# Allegro board LAY-29615_B4.brd (continued)
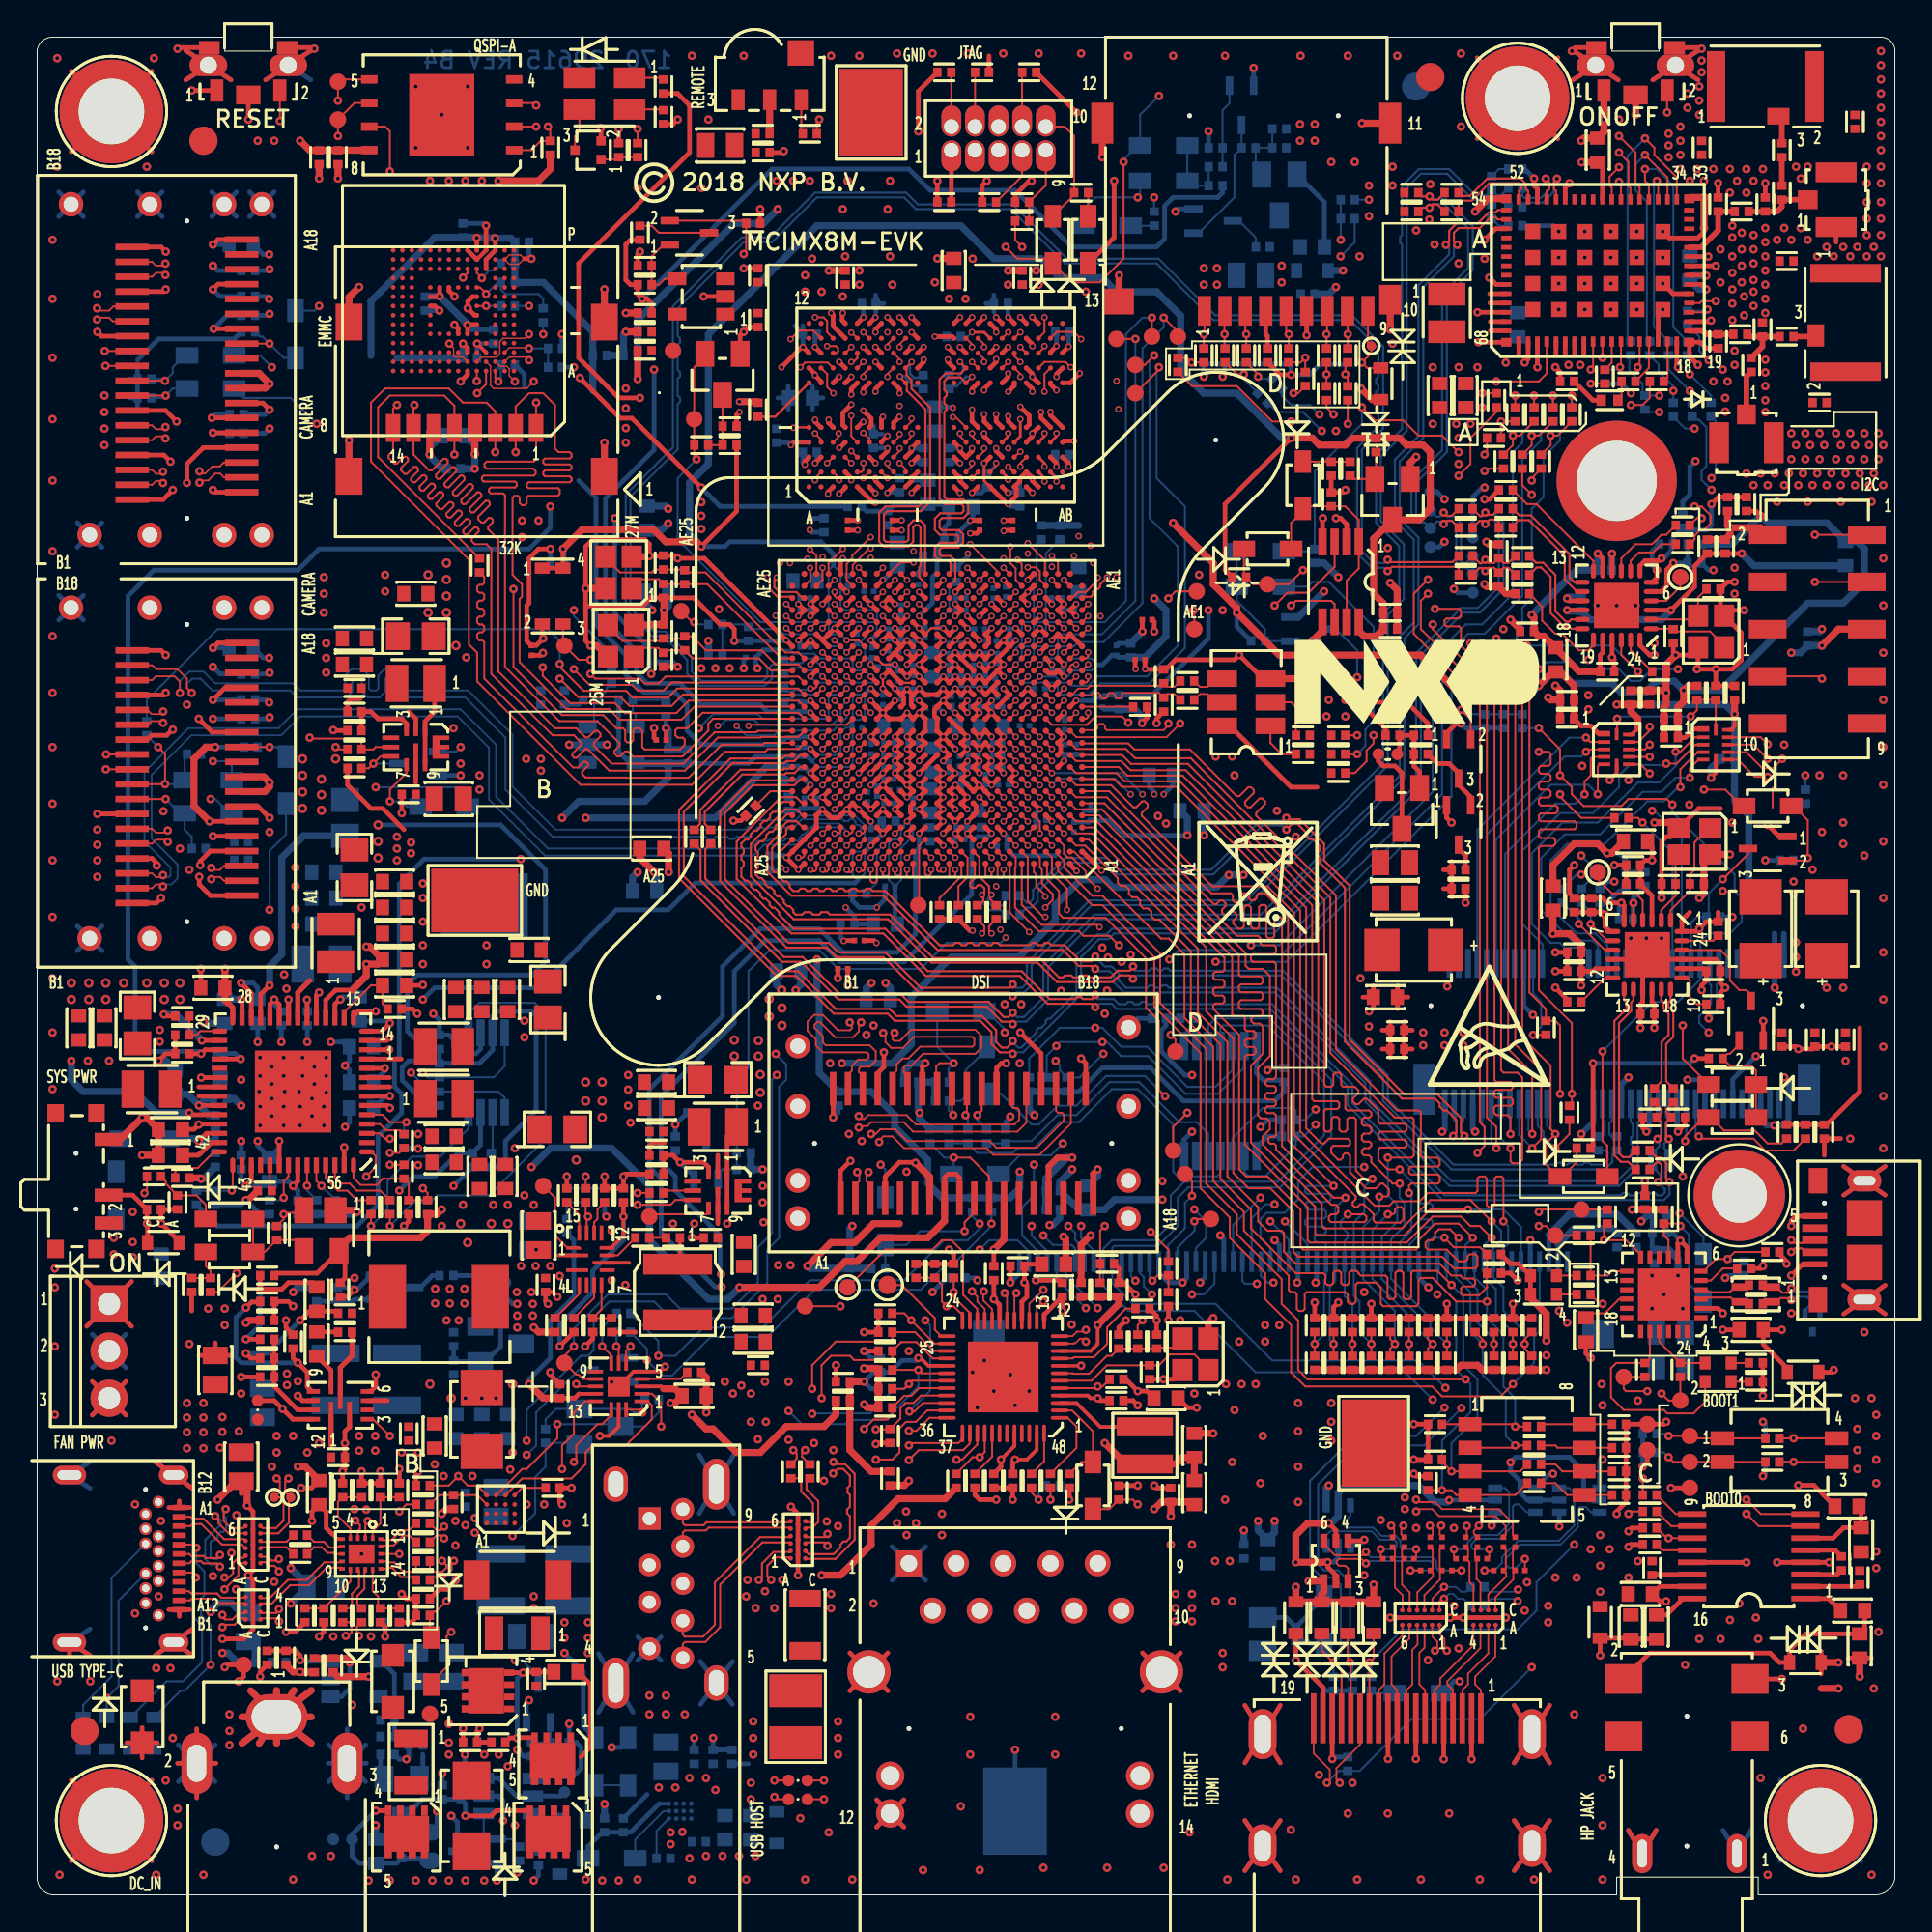
[diagram p0: board, top side]
## Routing (per net, layer and track width the routed paths; a pad name or vN(x,y) marks a point on that pad's centre or on a via; arc(x,y) is an arc through that point) (continued)
DRAM_NCS1_A: length 14.6
  TOP w0.102: v2(46.42,77.87) 46.42,77.72 U201.H3 ; U101.AC18 45.52,70.13 v2(45.53,70.13)
  L8_INT_3 w0.076: v2(46.42,77.87) 46.42,78.17 46.54,78.29 47.35,78.29 47.43,78.21 47.43,75.25 47.31,75.12 47.31,72.83 47.18,72.71 46.94,72.71 46.85,72.62 46.85,71.39 47.05,71.18 47.05,71.06 47.18,70.93 47.31,70.93 47.43,71.06 47.43,71.35 47.52,71.44 47.7,71.44 47.79,71.35 47.79,70.55 47.7,70.46 45.82,70.46 45.53,70.16 v2(45.53,70.13)
DRAM_NCS1_B: length 13.7
  TOP w0.102: U101.AD8 51.38,70.78 v2(51.37,70.78) ; U201.R3 50.97,77.72 v2(50.97,77.87)
  L8_INT_3 w0.076: v2(50.97,77.87) 50.97,78.15 51.29,78.47 51.29,78.88 50.55,79.63 50.42,79.63 50.31,79.51 50.31,79.39 50.65,79.05 50.65,78.31 50.56,78.22 50.18,78.22 50,78.04 50,77.7 50.2,77.51 50.56,77.51 50.65,77.42 50.65,76.91 51.37,76.18 v2(51.37,70.78)
DRAM_NRESET: length 18.7
  TOP w0.107: U101.AB13 v2(48.77,69.48)
  TOP w0.152: v2(50.32,84.12) 50.97,84.12 U201.T11
  L6_INT_2 w0.076: v2(50.32,84.12) 49.19,84.12 48.2,83.12 48.2,70.06 v2(48.77,69.48)
  BOTTOM w0.102: R208.2 50.09,83.88 v2(50.32,84.12)
DRAM_SDQS0_C_A: length 22.3
  TOP w0.102: U201.E3 v2(43.82,77.72)
  TOP w0.114: v2(39.31,70.91) 39.43,70.79 39.43,70.29 39.85,69.88 40.58,69.88 U101.AC25
  L6_INT_2 w0.102: v2(43.82,77.72) 43.82,77.63 43.71,77.52 42.96,77.52 42.84,77.63 42.84,78.03 42.59,78.28 41.31,78.28 40.97,78.63 40.04,78.63 38.68,77.26 38.68,76.84 38.55,76.71 38.05,76.71 37.79,76.45 37.79,76.01 38.05,75.75 38.68,75.75 38.78,75.65 38.78,75.49 38.68,75.39 38.04,75.39 37.79,75.14 37.79,74.78 38.04,74.53 38.68,74.53 38.78,74.43 38.78,74.27 38.68,74.17 38.04,74.17 37.79,73.92 37.79,73.56 38.04,73.32 38.68,73.32 38.78,73.21 38.78,73.05 38.68,72.95 38.04,72.95 37.79,72.71 37.79,71.96 38.05,71.7 38.43,71.7 38.67,71.94 38.97,71.94 39.39,71.51 39.39,71 v2(39.31,70.91)
DRAM_SDQS0_C_B: length 22.6
  TOP w0.114: U201.V3 52.89,77.69 v2(52.92,77.69) ; v2(57.59,70.91) 57.21,70.53 57.21,70.4 57.1,70.29 56.97,70.29 56.83,70.15 56.83,69.99 56.72,69.87 56.31,69.87 U101.AC1
  L6_INT_2 w0.102: v2(52.92,77.69) 52.92,77.44 53.04,77.33 53.15,77.33 53.29,77.47 53.29,77.58 53.55,77.84 54.51,77.84 54.62,77.94 54.62,78.06 54.87,78.32 55.27,78.32 55.51,78.08 55.51,77.92 55.6,77.84 56.03,77.84 56.19,78 56.19,78.43 56.44,78.68 56.82,78.68 57.06,78.43 57.06,78.01 57.16,77.91 57.54,77.91 58.1,77.35 58.1,76.34 58.22,76.22 58.71,76.22 58.98,75.96 58.98,75.59 58.74,75.35 58.19,75.35 58.09,75.25 58.09,75.08 58.19,74.98 58.74,74.98 58.98,74.74 58.98,74.38 58.74,74.13 58.19,74.13 58.09,74.03 58.09,73.87 58.19,73.77 58.74,73.77 58.98,73.52 58.98,73.06 58.76,72.84 57.43,72.84 57.32,72.72 57.32,72.56 57.44,72.44 57.83,72.44 58.09,72.18 58.09,71.69 57.83,71.44 57.46,71.44 57.35,71.32 57.35,71.16 v2(57.59,70.91)
DRAM_SDQS0_T_A: length 22.3
  TOP w0.102: U201.D3 v2(43.82,77.07)
  TOP w0.114: U101.AC24 41.19,69.81 40.86,70.13 39.95,70.13 39.69,70.4 39.69,70.79 v2(39.81,70.91)
  L6_INT_2 w0.102: v2(39.81,70.91) 39.64,71.09 39.64,71.61 39.07,72.18 38.57,72.18 38.33,71.94 38.15,71.94 38.04,72.06 38.04,72.61 38.14,72.71 38.78,72.71 39.02,72.95 39.02,73.32 38.78,73.56 38.14,73.56 38.04,73.66 38.04,73.82 38.14,73.92 38.78,73.92 39.02,74.17 39.02,74.53 38.78,74.78 38.14,74.78 38.04,74.88 38.04,75.04 38.14,75.14 38.78,75.14 39.02,75.39 39.02,75.75 38.78,76 38.15,76 38.04,76.11 38.04,76.35 38.15,76.46 38.65,76.46 38.92,76.74 38.92,77.16 40.14,78.38 40.87,78.38 41.21,78.04 42.49,78.04 42.6,77.93 42.6,77.53 42.86,77.28 43.61,77.28 v2(43.82,77.07)
DRAM_SDQS0_T_B: length 22.2
  TOP w0.114: U201.W3 52.92,77.07 v2(52.92,76.89) ; v2(57.09,70.91) 57.09,70.77 56.45,70.13 56.03,70.13 55.71,69.81 U101.AC2
  L6_INT_2 w0.102: v2(57.09,70.91) 57.09,71.04 57.11,71.06 57.11,71.42 57.36,71.68 57.73,71.68 57.85,71.79 57.85,72.08 57.73,72.2 57.34,72.2 57.07,72.46 57.07,72.82 57.33,73.08 58.66,73.08 58.74,73.16 58.74,73.42 58.64,73.52 58.09,73.52 57.85,73.77 57.85,74.13 58.09,74.38 58.64,74.38 58.74,74.48 58.74,74.64 58.64,74.74 58.09,74.74 57.85,74.98 57.85,75.35 58.09,75.59 58.64,75.59 58.74,75.69 58.74,75.86 58.61,75.98 58.12,75.98 57.86,76.24 57.86,77.25 57.44,77.67 57.06,77.67 56.82,77.91 56.82,78.33 56.72,78.43 56.54,78.43 56.44,78.33 56.44,77.9 56.13,77.6 55.5,77.6 55.27,77.82 55.27,77.98 55.17,78.08 54.97,78.08 54.86,77.96 54.86,77.84 54.61,77.6 53.65,77.6 53.53,77.48 53.53,77.37 53.25,77.09 53.04,77.09 52.92,76.97 v2(52.92,76.89)
DRAM_SDQS1_C_A: length 26.2
  TOP w0.114: v2(42.93,70.13) 42.93,69.94 43.05,69.81 U101.AC21 ; v2(43.82,82.52) 43.94,82.52 44.15,82.72 U201.E10
  L4_INT_1 w0.102: v2(43.82,82.52) 43.88,82.57 43.88,82.79 43.64,83.03 43.5,83.03 43.34,82.88 43,82.88 42.87,82.75 42.51,82.75 42.39,82.64 42.39,82.43 42.14,82.18 41.7,82.18 41.44,82.43 41.44,82.61 41.33,82.72 40.94,82.72 40.7,82.49 40.7,81.85 40.45,81.6 39.9,81.6 39.05,80.75 39.05,78.55 38.54,78.04 38.54,75.97 38.66,75.86 39.18,75.86 39.43,75.6 39.43,75.17 39.18,74.92 38.53,74.92 38.4,74.79 38.4,74.59 38.53,74.46 39.18,74.46 39.43,74.2 39.43,73.77 39.18,73.52 38.58,73.52 38.44,73.38 38.44,73.22 38.63,73.03 39.09,73.03 39.81,72.3 40.86,72.3 41.13,72.02 41.13,71.22 41.26,71.09 42.19,71.09 42.43,70.85 42.43,70.51 42.27,70.35 42.27,70.21 42.35,70.13 42.47,70.13 42.65,69.96 42.75,69.96 v2(42.93,70.13)
DRAM_SDQS1_C_B: length 26.7
  TOP w0.114: U101.AC5 v2(53.97,70.13) ; v2(52.92,82.52) 52.6,82.84 U201.V10
  L4_INT_1 w0.102: v2(53.97,70.13) 53.97,69.98 54.05,69.9 54.22,69.9 54.73,70.41 55.46,70.41 55.83,70.78 55.83,71.51 56.6,72.29 57.21,72.29 57.85,72.92 57.85,74.4 57.48,74.76 57.21,74.76 56.96,75.02 56.96,75.45 57.21,75.7 57.73,75.7 57.85,75.82 57.85,76.04 57.73,76.16 57.09,76.16 56.83,76.41 56.83,76.84 57.09,77.1 57.73,77.1 57.85,77.21 57.85,77.44 57.73,77.56 57.09,77.56 56.83,77.81 56.83,78.24 57.09,78.5 57.73,78.5 57.85,78.61 57.85,78.82 57.73,78.93 57.1,78.93 56.84,79.19 56.84,79.65 57.1,79.91 57.51,79.91 57.61,80.01 57.61,80.26 57.51,80.36 57.23,80.36 56.97,80.62 56.97,81.58 55.89,82.67 55.02,82.67 54.87,82.53 54.6,82.53 54.46,82.67 54.13,82.67 53.99,82.53 53.72,82.53 53.58,82.67 53.39,82.67 53.19,82.87 53.04,82.87 52.92,82.75 v2(52.92,82.52)
DRAM_SDQS1_T_A: length 26.3
  TOP w0.114: U201.D10 v2(43.82,83.32) ; v2(42.93,69.48) U101.AB21
  L4_INT_1 w0.102: v2(42.93,69.48) 42.78,69.48 42.37,69.89 42.25,69.89 42.03,70.11 42.03,70.45 42.19,70.61 42.19,70.75 42.09,70.85 41.16,70.85 40.89,71.12 40.89,71.92 40.76,72.06 39.71,72.06 38.99,72.78 38.53,72.78 38.2,73.12 38.2,73.48 38.48,73.76 39.08,73.76 39.19,73.87 39.19,74.1 39.08,74.22 38.43,74.22 38.16,74.48 38.16,74.89 38.43,75.16 39.08,75.16 39.19,75.27 39.19,75.5 39.08,75.61 38.56,75.61 38.3,75.87 38.3,78.14 38.81,78.65 38.81,80.85 39.8,81.84 40.35,81.84 40.46,81.95 40.46,82.59 40.84,82.97 41.43,82.97 41.68,82.71 41.68,82.53 41.8,82.42 42.04,82.42 42.15,82.53 42.15,82.74 42.41,82.99 42.77,82.99 42.9,83.12 43.24,83.12 43.4,83.27 43.78,83.27 v2(43.82,83.32)
DRAM_SDQS1_T_B: length 26.9
  TOP w0.114: U201.W10 v2(52.92,83.32) ; U101.AB5 v2(53.97,69.48)
  L4_INT_1 w0.102: v2(52.92,83.32) 52.92,83.23 53.04,83.11 53.29,83.11 53.49,82.91 55.99,82.91 57.21,81.68 57.21,80.72 57.33,80.61 57.61,80.61 57.85,80.36 57.85,79.91 57.61,79.67 57.2,79.67 57.09,79.55 57.09,79.29 57.2,79.17 57.83,79.17 58.09,78.92 58.09,78.51 57.83,78.25 57.19,78.25 57.07,78.14 57.07,77.91 57.19,77.8 57.83,77.8 58.09,77.54 58.09,77.11 57.83,76.86 57.19,76.86 57.07,76.74 57.07,76.51 57.19,76.4 57.83,76.4 58.09,76.14 58.09,75.72 57.83,75.46 57.31,75.46 57.2,75.35 57.2,75.12 57.31,75 57.58,75 58.09,74.5 58.09,72.82 57.31,72.05 56.7,72.05 56.07,71.41 56.07,70.67 55.56,70.17 54.83,70.17 54.32,69.66 54.15,69.66 v2(53.97,69.48)
DRAM_VREF: length 12
  TOP w0.107: U101.AA14 v2(47.48,68.83)
  BOTTOM w0.254: v2(47.48,68.83) 48.2,69.55 48.2,70.93 48.44,71.18 C216.1 48.44,72.57 C218.2 48.84,73.6 49.07,73.83 R209.2 48.93,74.85 R210.1 46.16,74.85 C219.1 44.64,74.48 R215.1
DRAM_ZQ0: length 1.8
  TOP w0.127: U201.A5 40.72,78.99 v2(40.7,78.97)
  BOTTOM w0.127: v2(40.7,78.97) 39.86,78.97 R203.2
DRAM_ZQ1: length 3.5
  TOP w0.127: R204.2 39.73,79.57 U201.A8
DSI_BL_PWM: length 24.7
  TOP w0.107: U101.T7 v2(52.67,64.93)
  L6_INT_2 w0.076: v2(52.67,64.93) 53,64.61 53,63.41 52.35,62.76 52.35,60.25 52.16,60.06 51.17,60.06 51.05,59.94 51.05,58.3 51.24,58.11 51.51,58.11 51.7,57.92 51.7,54.85 52.06,54.5 52.06,53.83 50.74,52.51 50.35,52.51 49.97,52.13 49.97,48.53 v1(52.08,46.42)
  BOTTOM w0.107: v1(52.08,46.42) 52.08,46.6 51.12,47.56 D1508.C
DSI_CKN: length 27
  TOP w0.097: J1501.A2 44.05,38.2 44.26,38.41 44.26,38.79 v1(44.14,38.91)
  TOP w0.102: U101.C16 46.5,56.59 46.4,56.48 v2(46.18,56.48)
  L8_INT_3 w0.076: v2(46.18,56.48) 46.18,56.62 46.28,56.72 46.37,56.72 46.59,56.5 46.97,56.5 47.11,56.36 47.11,56.25 47.28,56.07 47.37,56.07 47.47,55.97 47.47,55.82 47.36,55.7 47.36,55.51 47.47,55.4 47.47,50.92 48.28,50.11 48.28,49.64 48.18,49.54 47.96,49.54 47.69,49.26 47.69,48.82 47.96,48.55 48.18,48.55 48.28,48.44 48.28,48.24 48.18,48.14 47.96,48.14 47.69,47.87 47.69,47.42 47.96,47.15 48.18,47.15 48.28,47.05 48.28,46.28 46.96,44.96 46.96,44.57 47.33,44.2 47.33,44.06 47.15,43.88 47.02,43.88 46.73,44.17 46.36,44.17 46.04,43.85 46.04,43.46 46.32,43.18 46.32,43.05 46.04,42.77 46.04,41.43 46.39,41.08 46.39,40.58 45.89,40.08 44.87,40.08 44.35,39.55 44.35,39.11 v1(44.14,38.91)
DSI_CKP: length 27
  TOP w0.097: J1501.A3 44.85,38.21 44.64,38.42 44.64,38.79 v1(44.75,38.91)
  TOP w0.102: U101.D16 v2(46.18,57.13)
  L8_INT_3 w0.076: v1(44.75,38.91) 44.64,39.02 44.64,39.43 45,39.79 46.01,39.79 46.68,40.46 46.68,41.2 46.33,41.55 46.33,42.65 46.61,42.93 46.61,43.3 46.33,43.59 46.33,43.73 46.48,43.88 46.61,43.88 46.9,43.59 47.27,43.59 47.62,43.94 47.62,44.32 47.25,44.7 47.25,44.84 48.57,46.16 48.57,47.17 48.3,47.44 48.08,47.44 47.98,47.54 47.98,47.75 48.08,47.85 48.3,47.85 48.57,48.12 48.57,48.56 48.3,48.84 48.08,48.84 47.98,48.94 47.98,49.14 48.08,49.24 48.3,49.24 48.57,49.52 48.57,50.23 47.76,51.04 47.76,56.12 47.31,56.57 47.09,56.79 46.71,56.79 46.49,57.01 46.3,57.01 v2(46.18,57.13)
DSI_DN0: length 25.1
  TOP w0.097: v1(43.74,46.97) 43.86,46.85 43.86,46.65 43.75,46.54 43.12,46.54 42.29,47.37 41.83,47.37 41.47,47.01 41.47,46.51 41.92,46.06 41.92,45.73 42.29,45.35 44.66,45.35 44.76,45.25 44.76,45.06 44.66,44.96 44.18,44.96 43.86,44.63 43.86,44.36 43.65,44.16 J1501.B2
  TOP w0.102: U101.A17 45.85,54.94 45.75,54.84 45.61,54.84 45.51,54.95 45.51,55.17 v2(45.52,55.18)
  L8_INT_3 w0.076: v2(45.52,55.18) 45.56,55.15 45.56,54.48 45.27,54.2 45.27,53.75 45.56,53.46 45.56,52.7 45.26,52.41 45.26,51.84 45.56,51.55 45.56,49.93 45.46,49.82 45.25,49.82 45.15,49.93 45.15,50.58 44.88,50.85 44.5,50.85 43.71,50.06 43.71,49.68 44.13,49.26 44.13,48.58 44.04,48.49 43.39,48.49 43.12,48.22 43.12,47.71 43.39,47.43 43.78,47.43 43.88,47.33 43.88,47.1 v1(43.74,46.97)
DSI_DN1: length 25.4
  TOP w0.097: v1(45.54,46.4) 45.67,46.28 45.67,45.9 45.98,45.59 46.61,45.59 47.2,46.19 50.35,46.19 50.45,46.08 50.45,45.76 50.34,45.66 47.53,45.66 46.9,45.02 46.59,45.02 46.27,44.7 46.27,44.36 46.05,44.14 J1501.B5
  TOP w0.102: v2(46.17,55.18) 46.16,55.17 46.16,54.97 46.26,54.87 46.4,54.87 46.5,54.97 U101.A16
  L8_INT_3 w0.076: v2(46.17,55.18) 46.21,55.15 46.21,48.72 46.12,48.63 45.08,48.63 44.81,48.36 44.81,47.5 45.08,47.23 45.58,47.23 45.91,47.56 46.19,47.56 46.29,47.46 46.29,47.19 46.19,47.09 46.02,47.09 45.74,46.82 45.74,46.6 v1(45.54,46.4)
DSI_DN2: length 28.9
  TOP w0.097: J1501.B13 52.45,42.45 52.54,42.35 52.76,42.35 52.87,42.25 52.87,41.72 52.61,41.46 47.31,41.46 46.8,41.97 44.74,41.97 44.53,41.76 44.38,41.76 v1(44.23,41.92)
  TOP w0.102: v2(44.87,55.18) 44.86,55.17 44.86,54.59 44.96,54.49 45.1,54.49 45.2,54.59 U101.A18
  L8_INT_3 w0.076: v1(44.23,41.92) 44,41.69 43.85,41.69 43.75,41.79 43.75,43.24 44.26,43.75 44.26,45.02 42.61,46.67 42.61,49.59 44.84,51.83 44.84,55.15 v2(44.87,55.18)
DSI_DN3: length 30.3
  TOP w0.097: J1501.B16 54.85,42.2 54.95,42.1 55.16,42.1 55.27,42 55.27,41.68 53.81,40.22 51.63,40.22 51.27,40.58 46.83,40.58 46.19,41.21 45.39,41.21 45.14,40.96 v1(44.89,40.96)
  TOP w0.102: v2(46.82,55.18) 46.81,55.17 46.81,54.87 46.91,54.77 47.05,54.77 47.15,54.87 U101.A15
  L8_INT_3 w0.076: v2(46.82,55.18) 46.86,55.15 46.86,50.39 47.01,50.23 47.01,46.16 45.32,44.47 45.32,41.1 45.18,40.96 v1(44.89,40.96)
DSI_DP0: length 25.1
  TOP w0.097: v1(44.35,46.97) 44.24,46.85 44.24,46.49 43.91,46.16 42.96,46.16 42.13,46.99 41.99,46.99 41.85,46.85 41.85,46.67 42.3,46.22 42.3,45.88 42.45,45.73 44.82,45.73 45.14,45.41 45.14,44.9 44.82,44.58 44.34,44.58 44.24,44.48 44.24,44.28 44.45,44.07 J1501.B3
  TOP w0.102: U101.B17 45.53,55.83 v2(45.52,55.83)
  L8_INT_3 w0.076: v1(44.35,46.97) 44.17,47.15 44.17,47.45 43.9,47.73 43.51,47.73 43.41,47.83 43.41,48.09 43.51,48.2 44.16,48.2 44.42,48.46 44.42,49.38 44,49.8 44,49.94 44.62,50.56 44.75,50.56 44.86,50.46 44.86,49.8 45.13,49.53 45.58,49.53 45.85,49.8 45.85,51.67 45.55,51.97 45.55,52.29 45.85,52.58 45.85,53.58 45.57,53.87 45.57,54.08 45.85,54.36 45.85,55.33 45.52,55.66 v2(45.52,55.83)
DSI_DP1: length 25.4
  TOP w0.097: J1501.B6 46.85,44.08 46.65,44.28 46.65,44.54 46.75,44.64 47.05,44.64 47.69,45.27 50.5,45.27 50.83,45.6 50.83,46.24 50.5,46.57 47.04,46.57 46.45,45.97 46.13,45.97 46.05,46.06 46.05,46.3 46.15,46.4 v1(46.15,46.4)
  TOP w0.102: v2(46.17,55.83) 46.18,55.83 U101.B16
  L8_INT_3 w0.076: v1(46.15,46.4) 46.04,46.51 46.04,46.7 46.14,46.8 46.31,46.8 46.58,47.07 46.58,47.58 46.31,47.85 45.79,47.85 45.46,47.52 45.2,47.52 45.1,47.62 45.1,48.24 45.2,48.34 46.24,48.34 46.5,48.6 46.5,55.33 46.17,55.66 v2(46.17,55.83)
DSI_DP2: length 28.9
  TOP w0.097: J1501.B14 53.25,41.56 52.77,41.08 47.15,41.08 46.64,41.59 44.89,41.59 44.68,41.38 44.3,41.38 v1(44.23,41.31)
  TOP w0.102: v2(44.87,55.83) 44.88,55.83 U101.B18
  L8_INT_3 w0.076: v2(44.87,55.83) 44.87,55.66 44.55,55.33 44.55,51.95 42.32,49.71 42.32,46.55 43.97,44.9 43.97,43.87 43.46,43.36 43.46,41.67 43.73,41.39 44.12,41.39 44.12,41.39 44.15,41.39 v1(44.23,41.31)
DSI_DP3: length 30.3
  TOP w0.097: v1(45.33,40.53) 45.33,40.61 45.55,40.83 46.04,40.83 46.67,40.19 51.12,40.19 51.47,39.84 53.97,39.84 55.65,41.52 J1501.B17
  TOP w0.102: U101.B15 46.83,55.83 v2(46.82,55.83)
  L8_INT_3 w0.076: v1(45.33,40.53) 45.33,40.69 45.61,40.98 45.61,44.34 47.31,46.04 47.31,50.35 47.15,50.51 47.15,55.33 46.82,55.66 v2(46.82,55.83)
DSI_EN: length 22.1
  TOP w0.107: v2(53.32,57.13) 53.33,57.13 U101.D5
  L6_INT_2 w0.076: v2(53.32,57.13) 53.32,57.04 53.65,56.71 53.65,55.95 53.81,55.79 53.81,52.49 55.12,51.18 v1(55.12,48.67)
  L8_INT_3 w0.076: v1(55.21,40.45) 55.21,40.47 55.31,40.58 55.31,48.48 v1(55.12,48.67)
  BOTTOM w0.107: v1(55.21,40.45) 54.57,39.81 52.89,39.81 52.26,39.18 52.13,39.18 D1501.C
DSI_TS_NINT: length 28.3
  TOP w0.107: v1(60.72,42.99) 60.39,43.32 60.39,47.05 59.69,47.75 59.69,50.42 57.52,52.59 55.23,52.59 55,52.82 55,54.04 54.36,54.68 54.36,55.45 U101.A4
  BOTTOM w0.107: v1(60.72,42.99) 59.63,44.08 57.54,44.08 55.94,42.48 54.93,42.48 53.91,41.46 53.53,41.46 51.88,43.12 D1509.C
DSI_TS_NRST: length 7.8
  TOP w0.107: v1(49.92,35.72) 49.92,36.21 50.45,36.73 J1501.A10
  BOTTOM w0.107: v1(49.92,35.72) 47.53,35.72 46.79,34.99 D1510.A 45.66,33.72 R1531.2
DSI_TS_SCL: length 15.6
  BOTTOM w0.107: R1501.2 R1525.2 52.25,40.58 53.53,40.58 54.93,41.97 55.94,41.97 57.72,43.75 59.32,43.75 61.48,41.59 62.42,41.59 63.04,40.97 U1501.5
DSI_TS_SDA: length 20.7
  BOTTOM w0.107: R1524.2 R1502.2 50.1,40.45 50.61,39.94 52.51,39.94 52.77,40.19 53.66,40.19 55.05,41.59 56.07,41.59 57.85,43.37 59.24,43.37 61.15,41.46 61.15,38.92 61.4,38.68 63.51,38.68 63.69,38.86 U1501.4
EMMC_CLK: length 29.6
  TOP w0.107: v1(22.92,87.06) 23.17,87.3 U601.M6 ; v1(22.46,77.53) J601.P5 22.46,80.16 21.91,80.71 18.99,80.71 18.35,80.07 18.35,77.4 R616.2
  L8_INT_3 w0.076: v1(22.92,87.06) 22.03,87.06 20.99,86.02 20.99,81.88 22.46,80.41 v1(22.46,77.53)
EMMC_DQS: length 1.3
  TOP w0.107: v1(24.17,85.53) 24.16,85.53 U601.H5
  BOTTOM w0.107: R617.1 v1(24.17,85.53)
EMMC_NRST: length 5.1
  TOP w0.107: U601.K5 23.84,86.53 24.14,86.23 24.14,86.2 v1(24.17,86.18)
  BOTTOM w0.107: v1(24.17,86.18) 24.8,86.8 R603.2 24.96,86.42 25.21,86.17 26.99,86.17 27.24,85.91 R621.2
EMMC_VDDIM: length 3.5
  TOP w0.076: U601.C2 25.41,83.28 26.45,83.28 v1(26.48,83.25)
  BOTTOM w0.107: C611.1 C610.1 v1(26.48,83.25)
EN_SNK: length 35.3
  TOP w0.107: U907.2 33.1,26.97 33.59,26.48 v1(33.59,25.21)
  L8_INT_3 w0.076: v1(33.59,25.21) 32.96,24.57 31.05,24.57 30.09,23.61 30.09,20.81 28.38,19.11 27.88,19.11 21.65,12.89 21.65,7.43 24.45,4.63 24.45,2.6 v1(25.84,1.21)
  BOTTOM w0.107: R914.1 25.97,1.33 v1(25.84,1.21)
EN_SRC: length 7.7
  TOP w0.107: v1(32.57,25.97) 32.43,26.12 U907.16
  BOTTOM w0.107: R930.1 27.37,25.59 27.94,26.16 Q906.2 31.94,26.16 32.13,25.97 v1(32.57,25.97) 32.57,26.52 R931.2
ENET_AVDD33: length 11.1
  TOP w0.254: U1201.16 53.01,31.92 53.28,32.19 53.28,32.82 v1(53.14,32.96) C1201.1 53.24,33.95 L1201.2
  L6_INT_2 w0.254: v1(48.2,32.45) 49.34,33.59 52.51,33.59 v1(53.14,32.96)
  BOTTOM w0.254: C1204.1 48.96,33.21 v1(48.2,32.45)
ENET_AVDDL_1V1: length 11.7
  TOP w0.178: U1201.8 56.16,28.48 56.17,28.49 v1(56.2,28.49)
  TOP w0.203: U1201.44 52.61,24.16 v1(51.88,23.43)
  TOP w0.254: v1(55.18,31.43) C1214.1 54.21,31.22 U1201.13 ; C1211.1 51.88,23.04 v1(51.88,23.43) ; U1201.19 51.81,31.76 v1(51.5,32.07) C1213.1
  TOP w0.381: L1203.1 62.14,21.15 C1212.1 ; C1212.1 60.52,21.15 v1(60.13,20.76) ; C1212.1 v1(61.02,20.38)
ENET_DVDDL_1V1: length 19.2
  TOP w0.203: v1(52.64,23.43) 53.28,23.43 53.81,23.95 U1201.47
  TOP w0.254: v1(52.64,23.43) 52.51,23.3 C1209.1 ; v1(51.62,21.27) 50.74,21.27 50.48,21.53 R1207.1
  TOP w0.381: L1203.2 C1208.1 61.64,23.54 61.29,23.19 L1202.2 58.59,23.19 v1(57.47,24.32)
  L8_INT_3 w0.254: v1(51.62,21.27) 51.62,22.41 v1(52.64,23.43)
  L8_INT_3 w0.381: v1(52.64,23.43) 56.58,23.43 v1(57.47,24.32)
ENET_LX: length 5.1
  TOP w0.203: U1201.3 55.95,26.48 57.23,25.19 L1202.1
ENET_MDC: length 71.1
  TOP w0.107: R1209.1 v1(54.55,21.27) ; U101.N20 43.57,62.98 38.35,62.98 v2(38.29,62.93)
  L6_INT_2 w0.076: v2(38.29,62.93) 38.29,62.67 29.15,53.53 29.15,46.42 30.92,44.64 30.92,41.85 31.69,41.08 33.59,41.08 35.11,39.56 35.11,37.27 34.73,36.89 34.73,35.24 35.5,34.48 36.82,34.48 38.29,33.01 38.29,31.69 38.8,31.18 43.37,31.18 43.75,31.56 45.78,31.56 46.88,30.47 47.76,30.47 49.85,28.38 49.85,25.84 50.1,25.59 50.1,23.43 50.74,22.8 53.02,22.8 v1(54.55,21.27)
ENET_MDIO: length 73.2
  TOP w0.107: v1(53.91,21.27) 53.53,21.65 R1210.1 ; U101.N19 v2(44.23,63.63)
  L6_INT_2 w0.076: v1(53.91,21.27) 52.77,22.41 49.85,22.41 48.96,23.3 48.96,28.13 47.33,29.76 46.44,29.76 45.4,30.8 44.26,30.8 43.88,30.42 38.55,30.42 33.34,35.63 33.34,36.51 33.59,36.77 33.59,38.8 32.07,40.32 30.67,40.32 28.38,42.61 28.38,53.78 37.15,62.55 37.15,62.93 37.51,63.29 43.88,63.29 v2(44.23,63.63)
  BOTTOM w0.107: v1(53.91,21.27) 53.91,21.65 R1204.2
ENET_NINT: length 61.7
  TOP w0.107: U1201.5 56.99,27.28 v1(57.09,27.37) 57.35,27.37 R1205.2 ; U101.L6 v2(53.32,61.68)
  L6_INT_2 w0.076: v2(53.32,61.68) 53.65,62.01 55.59,62.01 55.75,62.17 62.55,62.17 v1(63.44,61.28)
  L8_INT_3 w0.076: v1(57.09,27.37) 58.1,28.38 66.61,28.38 69.28,31.05 69.28,39.81 69.66,40.19 69.66,43.12 69.28,43.5 69.28,57.21 65.72,60.77 63.94,60.77 v1(63.44,61.28)
ENET_NRST: length 64.7
  TOP w0.107: D1201.C 57.71,20.76 R1223.2 58.24,21.27 58.99,21.27 v1(59.24,21.02) ; U101.M6 v2(53.32,62.33)
  L6_INT_2 w0.076: v2(53.32,62.33) 53.69,62.7 55.54,62.7 55.69,62.55 63.05,62.55 v1(64.32,61.28)
  L8_INT_3 w0.076: v1(64.32,61.28) 65.72,61.28 70.04,56.96 70.04,38.67 71.06,37.65 71.06,35.75 70.55,35.24 70.55,31.18 69.28,29.91 69.28,29.4 61.4,21.53 59.75,21.53 v1(59.24,21.02)
ENET_RD0: length 78.1
  TOP w0.107: U101.U19 v2(44.23,65.58) ; U1201.31 47.11,27.68 v1(46.93,27.49) 46.67,27.24 R1213.1
  L6_INT_2 w0.076: v1(41.72,25.89) 41.41,25.59 40.19,25.59 39.89,25.89 36.84,25.89 35.5,27.24 35.5,28.44 32.38,31.56 30.67,31.56 29.4,32.83 29.4,33.84 23.3,39.94 23.3,51.75 23.56,52.01 23.56,56.07 29.15,61.66 29.15,62.04 32.32,65.21 33.21,65.21 33.64,65.65 35.37,65.65 v1(35.75,66.03)
  L8_INT_3 w0.076: v2(44.23,65.58) 43.9,65.91 43.9,66.37 43.7,66.56 42.79,66.56 42.6,66.75 42.6,67.02 42.41,67.21 42.06,67.21 41.72,66.86 36.59,66.86 v1(35.75,66.03)
  BOTTOM w0.107: v1(41.72,25.89) 41.74,25.92 44.84,25.92 46.03,27.11 R1213.1 46.67,27.24 v1(46.93,27.49)
ENET_RD1: length 76.1
  TOP w0.107: U101.U21 v2(42.93,66.23) ; R1214.1 v1(47.43,28.26) 47.62,28.08 U1201.30
  L6_INT_2 w0.076: v1(36.51,66.03) 35.83,65.34 33.85,65.34 33.21,64.71 32.32,64.71 29.65,62.04 29.65,61.66 24.19,56.2 24.19,52.01 23.68,51.5 23.68,40.83 28,36.51 28,35.88 29.91,33.97 29.91,32.83 30.8,31.94 32.51,31.94 35.88,28.57 35.88,27.37 37.02,26.22 40.27,26.22 v1(40.45,26.05)
  L8_INT_3 w0.076: v2(42.93,66.23) 42.76,66.23 42.43,66.56 41.46,66.56 41.36,66.46 36.94,66.46 v1(36.51,66.03)
  BOTTOM w0.107: v1(40.45,26.05) 41.16,25.34 43.5,25.34 43.73,25.56 45.63,25.56 47.43,27.37 v1(47.43,28.26)
ENET_RD2: length 73.7
  TOP w0.107: U1201.28 48.21,28.88 47.33,29.76 46.51,29.76 R1218.1 46.03,28.9 45.92,28.79 43.98,28.79 43.75,29.02 42.73,29.02 42.23,28.51 v1(42.23,26.73) ; U101.U20 v2(43.58,66.23)
  L6_INT_2 w0.076: v1(42.23,26.73) 41.46,26.73 41.21,26.99 39.18,26.99 38.29,27.88 37.63,27.88 31.91,33.59 31.43,33.59 28.7,36.32 28.7,36.83 27.15,38.38 27.15,39.39 24.45,42.1 24.45,48.45 25.03,49.03 25.03,55.89 28.76,59.63 29.15,59.63 31.18,61.66 31.18,62.04 31.4,62.26 31.4,62.36 31.25,62.51 31.25,62.62 31.41,62.78 31.52,62.78 31.67,62.63 31.77,62.63 31.93,62.8 31.93,62.9 31.79,63.05 31.79,63.16 31.95,63.32 32.06,63.32 32.2,63.17 32.31,63.17 32.87,63.73 33.28,63.73 34.23,64.67 36.22,64.67 36.77,65.21 40.07,65.21 41.41,66.56 43.09,66.56 43.42,66.23 v2(43.58,66.23)
ENET_RD3: length 73.8
  TOP w0.107: U1201.27 48.27,29.28 47.26,30.29 R1220.1 46.03,29.9 45.91,29.78 42.99,29.78 41.72,28.51 v1(41.72,27.24) ; U101.V19 v2(44.23,66.23)
  L6_INT_2 w0.076: v1(41.72,27.24) 40.75,28.21 37.77,28.21 32.01,33.97 31.56,33.97 29.15,36.38 29.15,36.89 27.62,38.42 27.62,39.43 24.83,42.23 24.83,46.19 24.9,46.27 25.13,46.27 25.21,46.35 25.21,46.57 25.13,46.65 24.9,46.65 24.83,46.73 24.83,46.95 24.9,47.03 25.26,47.03 25.34,47.11 25.34,47.34 25.26,47.41 24.9,47.41 24.83,47.49 24.83,47.81 25.39,48.37 25.39,55.74 28.57,58.93 28.96,58.93 31.56,61.53 31.56,61.91 31.75,62.1 31.88,62.1 32.13,61.85 32.26,61.85 32.38,61.97 32.38,62.1 32.13,62.35 32.13,62.48 32.96,63.31 33.46,63.31 34.52,64.36 36.42,64.36 36.89,64.83 40.32,64.83 41.4,65.91 43.9,65.91 v2(44.23,66.23)
ENET_RX_CTL: length 73.3
  TOP w0.107: U101.T21 v2(42.93,65.58) ; v1(44.51,25.08) 45.02,25.59 45.78,25.59 46.03,25.84 R1217.1 46.67,26.86 47.05,26.86 47.47,27.28 U1201.32
  L6_INT_2 w0.076: v1(37.27,66.03) 36.84,65.59 36.51,65.59 35.9,64.99 34,64.99 33.21,64.2 32.32,64.2 30.16,62.04 30.16,61.53 24.7,56.07 24.7,49.72 24.07,49.08 24.07,40.96 28.32,36.7 28.32,36.13 30.42,34.04 30.42,32.83 30.92,32.32 32.7,32.32 36.26,28.76 36.26,27.49 37.22,26.53 41.16,26.53 41.34,26.35 41.97,26.35 43.24,25.08 v1(44.51,25.08)
  L8_INT_3 w0.076: v1(37.27,66.03) 37.71,65.59 39.18,65.59 39.49,65.91 42.6,65.91 v2(42.93,65.58)
ENET_RXC: length 72.5
  TOP w0.107: U1201.33 47.58,26.88 47.18,26.48 46.75,26.48 46.47,26.2 46.47,25.63 R1219.1 45.89,25.06 v1(45.15,25.06) ; U101.T20 v2(43.58,65.58)
  L6_INT_2 w0.076: v2(43.58,65.58) 43.25,65.26 41.38,65.26 40.58,64.45 37.02,64.45 36.59,64.02 35.72,64.02 35.08,63.38 34.9,63.38 34.56,63.72 34.38,63.72 34.2,63.54 34.2,63.36 34.54,63.02 34.54,62.84 33.87,62.17 33.08,62.17 32.8,61.88 32.8,61.7 32.93,61.56 32.93,61.38 32.75,61.2 32.57,61.2 32.44,61.34 32.26,61.34 32.08,61.16 32.08,60.98 32.21,60.84 32.21,60.66 32.03,60.48 31.86,60.48 31.72,60.62 31.54,60.62 31.36,60.44 31.36,60.26 31.5,60.12 31.5,59.94 31.32,59.76 31.14,59.76 31,59.9 30.82,59.9 30.64,59.72 30.64,59.54 30.78,59.4 30.78,59.22 30.6,59.05 30.42,59.05 30.28,59.18 30.1,59.18 25.72,54.8 25.72,46.16 25.21,45.66 25.21,42.35 28,39.56 28,38.54 28.77,37.78 29.15,37.78 30.16,36.77 30.16,35.88 31.69,34.35 32.07,34.35 37.91,28.51 41.21,28.51 43.8,25.92 44.82,25.92 45.15,25.59 v1(45.15,25.06)
ENET_SD: length 2.6
  TOP w0.107: U1201.41 51.41,23.59 R1207.2
ENET_TD0: length 73.2
  TOP w0.107: U1201.36 48.03,25.68 47.33,24.98 v1(46.93,24.98) ; U101.R20 v2(43.58,64.28)
  L6_INT_2 w0.076: v1(46.93,29.27) 46.16,29.27 46.04,29.15 46.04,28.76 45.91,28.64 45.66,28.64 45.53,28.76 45.53,30.16 45.4,30.29 45.15,30.29 45.02,30.16 45.02,29.91 44.89,29.78 43.24,29.78 42.99,30.03 38.44,30.03 32.83,35.65 32.83,36.51 33.22,36.91 33.22,38.66 31.94,39.94 30.54,39.94 29.16,41.32 28.98,41.32 28.84,41.19 28.66,41.19 28.48,41.37 28.48,41.55 28.62,41.68 28.62,41.86 28.44,42.04 28.26,42.04 28.12,41.91 27.94,41.91 27.76,42.09 27.76,42.27 27.9,42.4 27.9,42.58 27.67,42.81 27.11,42.81 26.99,42.94 26.99,43.19 27.11,43.32 27.88,43.32 28,43.45 28,43.7 27.88,43.83 26.99,43.83 26.86,43.95 26.86,44.21 26.99,44.34 27.88,44.34 28,44.46 28,54.04 36.64,62.67 v2(36.64,62.93)
  L8_INT_3 w0.076: v1(46.93,29.27) 46.93,28.13 47.41,27.65 47.41,25.46 v1(46.93,24.98)
  BOTTOM w0.102: 42.79,62.98 43.25,63.44 43.25,63.96 v2(43.58,64.28)
  BOTTOM w0.107: 42.79,62.98 38.87,62.98 38.59,63.26 37.1,63.26 36.77,62.93 v2(36.64,62.93)
